# Altium PCB BMS.Pcb.PcbDoc (part 2 of 3) (continued)
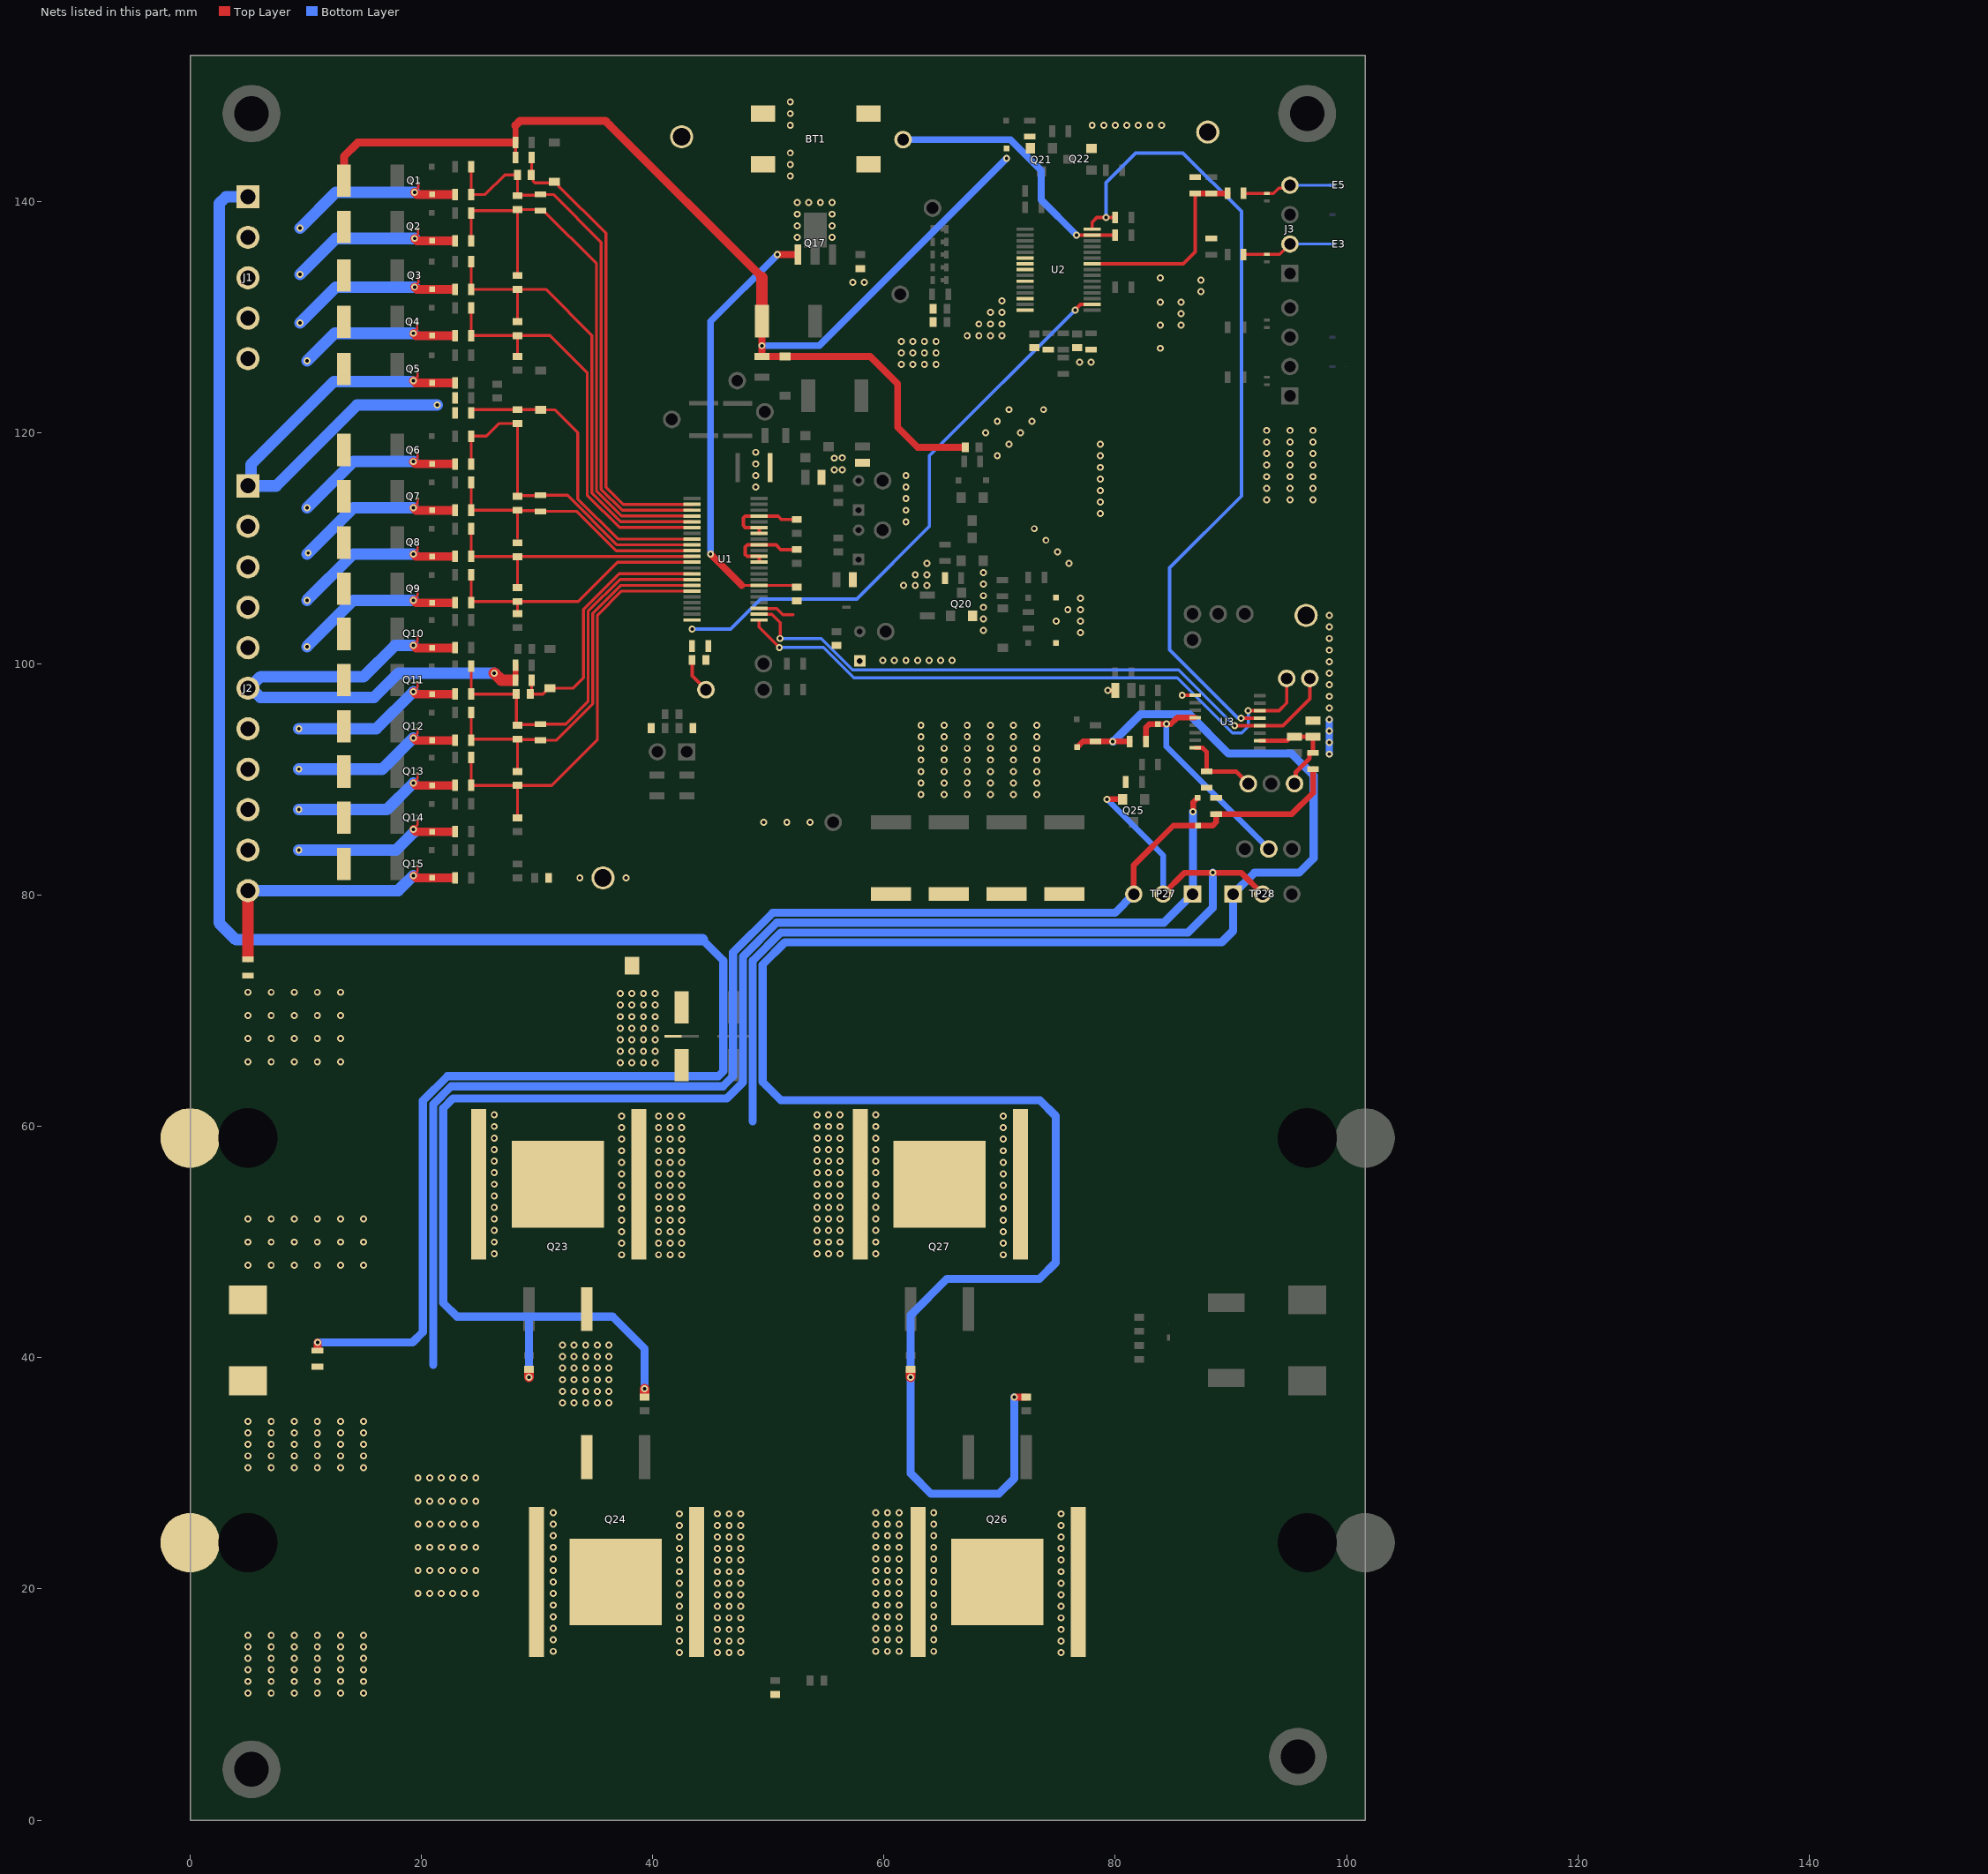
[diagram p2: the nets of this part, all layers, seen from the top]
## Part data (continued)
R95 R96 R97 R100: library part R_1.2K_%5_1W_2512, "Res Thick Film 2512 1.2K Ohm 5% 1W ±200ppm/°C Molded SMD SMD Blister T/R", Manufacturer=Vishay, Supplier Part Number=71-CRCW2512J-1.2K-E3, Voltage Rating (DC)=500V, Category="Chip SMD Resistors", ComponentLink1Description=https://datasheet.ciiva.com/16435/dcrcwe3-16435709.pdf?src-supplier=Future+Electronics, ComponentLink1URL=https://datasheet.ciiva.com/16435/dcrcwe3-16435709.pdf?src-supplier=Future+Electronics, ComponentLink2Description=https://datasheet.ciiva.com/2478/dcrcwe3-2478879.pdf?src-supplier=Digikey, ComponentLink2URL=https://datasheet.ciiva.com/2478/dcrcwe3-2478879.pdf?src-supplier=Digikey, ComponentLink3Description=https://datasheet.ciiva.com/2478/dcrcwe3-2478880.pdf?src-supplier=Digikey, ComponentLink3URL=https://datasheet.ciiva.com/2478/dcrcwe3-2478880.pdf?src-supplier=Digikey, ComponentLink4Description=https://datasheet.ciiva.com/2478/dcrcwe3-2478881.pdf?src-supplier=Digikey, ComponentLink4URL=https://datasheet.ciiva.com/2478/dcrcwe3-2478881.pdf?src-supplier=Digikey, ComponentLink5Description=https://datasheet.ciiva.com/9105/dcrcwe3-9105484.pdf?src-supplier=Avnet, ComponentLink5URL=https://datasheet.ciiva.com/9105/dcrcwe3-9105484.pdf?src-supplier=Avnet, ComponentLink6Description=https://datasheet.ciiva.com/7777/1533075-7777606.pdf?src-supplier=Element14, ComponentLink6URL=https://datasheet.ciiva.com/7777/1533075-7777606.pdf?src-supplier=Element14, ComponentLink7Description=https://datasheet.ciiva.com/5541/dcrcwe3-109170-5541887.pdf?src-supplier=Mouser, ComponentLink7URL=https://datasheet.ciiva.com/5541/dcrcwe3-109170-5541887.pdf?src-supplier=Mouser, Lead Free=5697LeadFree, Manufacturer Part Number=CRCW25121K20JNEG, Pricing="1=0,32, 10=0,116, 50=0,116, 100=0,074, 1000=0,049, 10000=0,037 (USD)", RoHS=Yes, Stock=9658, Supplier=Mouser
R98 R99: library part R_0.001OHM_%1_1.5W_2010, "Res Metal Foil 2010 0.001 Ohm 1% 1.5W ±50ppm/°C Molded SMD SMD Plastic T/R", Manufacturer="Stackpole Electronics", Supplier Part Number=708-CSNL2010FT1L00, Category="Chip SMD Resistors", ComponentLink1Description=https://www.seielect.com/catalog/sei-csnl.pdf?src-supplier=Digikey, ComponentLink1URL=https://www.seielect.com/catalog/sei-csnl.pdf?src-supplier=Digikey, ComponentLink2Description=https://www.seielect.com/catalog/SEI-Packaging.pdf?src-supplier=Digikey, ComponentLink2URL=https://www.seielect.com/catalog/SEI-Packaging.pdf?src-supplier=Digikey, ComponentLink3Description=https://www.seielect.com/Catalog/SEI-CSNL.pdf?src-supplier=Avnet, ComponentLink3URL=https://www.seielect.com/Catalog/SEI-CSNL.pdf?src-supplier=Avnet, Manufacturer Part Number=CSNL2010FT1L00, Pricing="1=0,56, 10=0,382, 50=0,382, 100=0,316, 1000=0,193, 10000=0,177 (USD)", RoHS=Yes, Stock=25876, Supplier=Mouser
R102 R103 R104: library part R_620OHM_%5_1/10W_0603, "SMD Chip Resistor, 620 Ohm, ± 5%, 100 mW, 0603 [1608 Metric], Thick Film, General Purpose", Manufacturer="Vishay Dale", Supplier Part Number=71-CRCW0603J-620-E3, Category="Chip SMD Resistors", ComponentLink1Description=https://datasheet.ciiva.com/3257/dcrcwe3-3257798.pdf?src-supplier=Avnet, ComponentLink1URL=https://datasheet.ciiva.com/3257/dcrcwe3-3257798.pdf?src-supplier=Avnet, ComponentLink2Description=https://datasheet.ciiva.com/3257/dcrcwe3-3257799.pdf?src-supplier=Avnet, ComponentLink2URL=https://datasheet.ciiva.com/3257/dcrcwe3-3257799.pdf?src-supplier=Avnet, ComponentLink3Description=https://datasheet.ciiva.com/16202/dcrcwe3-16202431.pdf?src-supplier=Future+Electronics, ComponentLink3URL=https://datasheet.ciiva.com/16202/dcrcwe3-16202431.pdf?src-supplier=Future+Electronics, ComponentLink4Description=https://datasheet.ciiva.com/2512/dcrcwe3-2512009.pdf?src-supplier=Digikey, ComponentLink4URL=https://datasheet.ciiva.com/2512/dcrcwe3-2512009.pdf?src-supplier=Digikey, ComponentLink5Description=https://datasheet.ciiva.com/2512/dcrcwe3-2512010.pdf?src-supplier=Digikey, ComponentLink5URL=https://datasheet.ciiva.com/2512/dcrcwe3-2512010.pdf?src-supplier=Digikey, ComponentLink6Description=https://datasheet.ciiva.com/2512/dcrcwe3-2512011.pdf?src-supplier=Digikey, ComponentLink6URL=https://datasheet.ciiva.com/2512/dcrcwe3-2512011.pdf?src-supplier=Digikey, Manufacturer Part Number=CRCW0603620RJNEA, Pricing="1=0,1, 10=0,016, 50=0,016, 100=0,009, 1000=0,007, 10000=0,005 (USD)", RoHS=Yes, Stock=82648, Supplier=Mouser
RT1 RT2 RT3: library part NTC_TERMISTOR_10K_%1, "Thermistor NTC 10KOhm 1% 2-Pin", Case/Package=72Case, Manufacturer=Semitec, Max Operating Temperature=110°C, Min Operating Temperature=-50°C, Supplier Part Number=954-103AT-2, Tolerance=1%, Category=Thermistors, ComponentLink1Description=https://datasheet.ciiva.com/4505/semitec-atthermistor-371460-4505142.pdf?src-supplier=Mouser, ComponentLink1URL=https://datasheet.ciiva.com/4505/semitec-atthermistor-371460-4505142.pdf?src-supplier=Mouser, Height=2.4mm, Lead Pitch=2.54mm, Length=17mm, Manufacturer Part Number=103AT-2, Packaging=Bulk, Pins=2, Pricing="1=0,84, 10=0,64, 50=0,64, 100=0,453, 1000=0,344, 10000=0,282 (USD)", RoHS=Yes, RoHS Compliant=Yes, Series=AT, Stock=31131, Supplier=Mouser, Termination=Radial, Width=3.7mm
TP1: library part TP_CONN_2POS_2.54MM, "Conn Unshrouded Header HDR 2 POS 2.54mm Solder ST Top Entry Thru-Hole", Current Rating=3A, Housing Color=46Colour, Manufacturer=Sullins, Max Operating Temperature=125°C, Min Operating Temperature=-65°C, Supplier Part Number=7889157, Category="Headers and Wire Housings", ComponentLink1Description=https://datasheet.ciiva.com/16213/pec02saan-16213358.pdf?src-supplier=Future+Electronics, ComponentLink1URL=https://datasheet.ciiva.com/16213/pec02saan-16213358.pdf?src-supplier=Future+Electronics, Contact Material=150,153,154ConductorMaterial, Gender=29Gender, Height=2.54mm, Housing Material=4239ConductorMaterial, Lead Free=5697LeadFree, Length=5.08mm, Manufacturer Part Number=PEC02SAAN, Number of Contacts=2NUMBER, Pricing="1=0,103, 400=0,0989, 1250=0,0947, 4000=0,0906, 12500=0,0829 (USD)", RoHS=Yes, Stock=4156, Supplier="Future Electronics", Width=2.54mm
TP2 TP3 TP8 TP9 TP10 TP11 TP12 TP13 TP14 TP15 TP16 TP17 TP18 TP19 TP20 TP21 TP22 TP23 TP24 TP25 TP26 TP29 TP30 TP31 TP32: library part TP_PC_TEST_POİNT, "TEST POINT, PCB, THROUGH HOLE; Product R; Range: -; Connector Colour: Black; Mounting: Through Hole", Manufacturer="Keystone Electronics", Supplier Part Number=5322706, Category=Connectors, ComponentLink1Description=https://datasheet.ciiva.com/11744/0900766b8009b7c7-11744935.pdf?src-supplier=Rs, ComponentLink1URL=https://datasheet.ciiva.com/11744/0900766b8009b7c7-11744935.pdf?src-supplier=Rs, ComponentLink2Description=https://datasheet.ciiva.com/1454/1718230-1454834.pdf?src-supplier=Element14, ComponentLink2URL=https://datasheet.ciiva.com/1454/1718230-1454834.pdf?src-supplier=Element14, ComponentLink3Description=https://datasheet.ciiva.com/46412/1703983-46412138.pdf?src-supplier=Element14, ComponentLink3URL=https://datasheet.ciiva.com/46412/1703983-46412138.pdf?src-supplier=Element14, ComponentLink4Description=https://datasheet.ciiva.com/16351/m60-2p60-16351093.pdf?src-supplier=Future+Electronics, ComponentLink4URL=https://datasheet.ciiva.com/16351/m60-2p60-16351093.pdf?src-supplier=Future+Electronics, ComponentLink5Description=https://datasheet.ciiva.com/2917/5011-2917635.pdf?src-supplier=Digikey, ComponentLink5URL=https://datasheet.ciiva.com/2917/5011-2917635.pdf?src-supplier=Digikey, Gender=30Gender, Lead Free=5697LeadFree, Length=11.3mm, Manufacturer Part Number=5011, Pricing="1=0,169, 200=0,164, 500=0,159, 1250=0,154, 3000=0,144 (USD)", RoHS=Yes, Stock=212621, Supplier="Future Electronics", Inside Diameter=1.78mm
TP4 TP5 TP6 TP7: library part TP_GND
TP27 TP28: library part TP_CONN_3POS_2.54MM, "PEC Series Single Row 3 Position 2.54 mm Straight Breakaway Header", Manufacturer=Sullins, Supplier Part Number=S1012E-03-ND, Category=Connectors, ComponentLink1Description=http://www.sullinscorp.com/catalogs/97_Page78-79_HEADER_.100_2.54mm_MALE_BREAKAWAY.pdf?src-supplier=Future+Electronics, ComponentLink1URL=http://www.sullinscorp.com/catalogs/97_Page78-79_HEADER_.100_2.54mm_MALE_BREAKAWAY.pdf?src-supplier=Future+Electronics, ComponentLink2Description=https://s3.amazonaws.com/catalogspreads-pdf/PAGE112-113%20.100%20MALE%20HDR.pdf?src-supplier=Digikey, ComponentLink2URL=https://s3.amazonaws.com/catalogspreads-pdf/PAGE112-113%20.100%20MALE%20HDR.pdf?src-supplier=Digikey, ComponentLink3Description=https://datasheet.octopart.com/PEC03SAAN-Sullins-datasheet-41399297.pdf?src-supplier=Future+Electronics, ComponentLink3URL=https://datasheet.octopart.com/PEC03SAAN-Sullins-datasheet-41399297.pdf?src-supplier=Future+Electronics, Manufacturer Part Number=PEC03SAAN, Pricing="1=0,18, 10=0,155, 100=0,1193, 500=0,10092, 1000=0,08257, 5000=0,0734, 10000=0,06652 (USD)", RoHS=Yes, Stock=17576, Supplier=Digikey
U1: library part AFE_IC_44TSSOP, "9 to 15-series cell li-ion and li-phosphate battery monitor (bq76940 family) 44-TSSOP -40 to 85", Manufacturer="Texas Instruments", Supplier Part Number=296-BQ7694000DBTRCT-ND, Category="Battery Management", ComponentLink1Description=http://www.ti.com/lit/gpn/bq76940?src-supplier=Mouser, ComponentLink1URL=http://www.ti.com/lit/gpn/bq76940?src-supplier=Mouser, ComponentLink2Description=http://www.ti.com/general/docs/suppproductinfo.tsp?distId=10&amp;gotoUrl=http%3A%2F%2Fwww.ti.com%2Flit%2Fgpn%2Fbq76920&src-supplier=Digikey, ComponentLink2URL=http://www.ti.com/general/docs/suppproductinfo.tsp?distId=10&amp;gotoUrl=http%3A%2F%2Fwww.ti.com%2Flit%2Fgpn%2Fbq76920&src-supplier=Digikey, ComponentLink3Description=http://www.ti.com/general/docs/lit/getliterature.tsp?genericPartNumber=BQ76920&&fileType=pdf&src-supplier=Avnet, ComponentLink3URL=http://www.ti.com/general/docs/lit/getliterature.tsp?genericPartNumber=BQ76920&&fileType=pdf&src-supplier=Avnet, Manufacturer Part Number=BQ7694000DBTR, Pricing="1=5,92, 10=5,317, 25=5,0268, 100=4,3565, 250=4,13312, 500=3,70864, 1000=3,12777 (USD)", RoHS=Yes, Stock=2000, Supplier=Digikey
U2: library part GUAGE_IC_30TSSOP, "Battery Management Controller/Fuel Gauge Li-Ion/Li-Pol/LiFePO4 5.5V 30-Pin TSSOP T/R", Case/Package=TFSOP, Manufacturer="Texas Instruments", Max Operating Temperature=85°C, Max Supply Voltage=2.6V, Min Operating Temperature=-40°C, Min Supply Voltage=2.4V, Nominal Supply Current=650uA, Output Voltage=5.5V, Supplier Part Number=296-44315-1-ND, Category="Battery Management", ComponentLink1Description=http://www.ti.com/lit/pdf/sluubd3?src-supplier=Digikey, ComponentLink1URL=http://www.ti.com/lit/pdf/sluubd3?src-supplier=Digikey, ComponentLink2Description=http://www.ti.com/general/docs/suppproductinfo.tsp?distId=10&amp;gotoUrl=http%3A%2F%2Fwww.ti.com%2Flit%2Fgpn%2Fbq78350-r1&src-supplier=Digikey, ComponentLink2URL=http://www.ti.com/general/docs/suppproductinfo.tsp?distId=10&amp;gotoUrl=http%3A%2F%2Fwww.ti.com%2Flit%2Fgpn%2Fbq78350-r1&src-supplier=Digikey, ComponentLink3Description=http://www.ti.com/lit/gpn/bq78350-r1?src-supplier=Mouser, ComponentLink3URL=http://www.ti.com/lit/gpn/bq78350-r1?src-supplier=Mouser, ComponentLink4Description=http://www.ti.com/general/docs/lit/getliterature.tsp?genericPartNumber=BQ78350-R1&&fileType=pdf&src-supplier=Avnet, ComponentLink4URL=http://www.ti.com/general/docs/lit/getliterature.tsp?genericPartNumber=BQ78350-R1&&fileType=pdf&src-supplier=Avnet, Contact Plating=Gold, Fault Protection="Over Current,Over Temperature,Over/Under Voltage", Height=1.2mm, Lead Free="Lead Free", Length=7.8mm, Manufacturer Part Number=BQ78350DBTR-R1, Mounting Technology="Surface Mount", Operating Supply Voltage=2.6V, Packaging="Cut Tape", Pins=30, Pricing="1=6,12, 10=5,5, 25=5,1996, 100=4,5062, 250=4,27512, 500=3,83606, 1000=3,23523 (USD)", RoHS=Yes, RoHS Compliant=Yes, Series=-, Stock=3289, Supplier=Digikey, Thickness=1mm, Width=4.4mm, Interface=SMBus
U3: library part FET_DRİVER_16TSTOP, "HIGH-SIDEN-CHFETDRVR16TSSOP", Manufacturer="Texas Instruments", Supplier Part Number=296-43273-1-ND, Category="Battery Management", ComponentLink1Description=http://www.ti.com/lit/gpn/bq76200?src-supplier=Mouser, ComponentLink1URL=http://www.ti.com/lit/gpn/bq76200?src-supplier=Mouser, ComponentLink2Description=http://www.ti.com/lit/ds/symlink/bq76200.pdf?src-supplier=Digikey, ComponentLink2URL=http://www.ti.com/lit/ds/symlink/bq76200.pdf?src-supplier=Digikey, Manufacturer Part Number=BQ76200PWR, Pricing="1=2,71, 10=2,438, 25=2,3004, 100=1,9598, 250=1,84024, 500=1,6102, 1000=1,33416 (USD)", RoHS=Yes, Stock=3882, Supplier=Digikey

## Via types
v1: diameter 0.6, hole 0.3, Top Layer to Bottom Layer, 917 vias

## Nets (pads, with @x,y where several pads share a name; then routed paths per layer and width w, separated by ;. In a path a pad name is that pad's centre, name@x,y a point inside that pad or via, vN(x,y) a via of type N, cw(c..) or ccw(c..) an arc to the next point about the centre after c; other vN are vias at no path point)
/KEY: D27.2 E5.1 J3.4 R71.1 | length 8
  Top Layer w0.254: R71.1@91.1,140.7 93.684,140.7 94.146,141.162 94.862,141.162 J3.4@95.1,141.4
  Bottom Layer w0.254: J3.4@95.1,141.4 E5.1@98.776,141.4
/KEYIN: R71.2 R78.1 R79.2 U2.9 | length 17.2
  Top Layer w0.3: U2.9@78,134.6 85.875,134.6 86.9,135.625 R79.2@86.9,140.7
  Top Layer w0.5: R79.2@86.9,140.7 R78.1@88.306,140.7 R71.2@89.7,140.7
/SYSPRES: D26.2 E3.1 J3.2 R72.1 | length 8.1
  Top Layer w0.254: R72.1@91.1,135.4 91.125,135.425 D26.2@93.1,135.425 94.205,135.425 J3.2@95.1,136.32
  Bottom Layer w0.254: J3.2@95.1,136.32 E3.1@98.776,136.32
ALERT: C21.2 R55.2 TP9.1 U1.44 U2.2 | length 52.9
  Top Layer w0.3: C21.2@43.4,100.35 43.4,98.978 TP9.1@44.6,97.778 ; v1(76.525,130.6) 76.525,130.65 76.975,131.1 U2.2@78,131.1
  Bottom Layer w0.3: v1(43.4,103.025) 46.722,103.025 49.32,105.623 57.651,105.623 63.925,111.897 63.925,118 v1(76.525,130.6)
BAT: C41.2 C42.1 R93.2 TP24.1 U3.2 | length 9.6
  Top Layer w0.381: U3.2@92.5,93.35 94.85,93.35 95.2,93.7 C42.1@95.5,93.7 C41.2@97.1,93.7 R93.2@97.1,92.3 96.85,92.3 96.791,92.24 96.791,91.822 95.621,90.653 95.621,89.771 TP24.1@95.5,89.65
BATT+: C43.2 D29.1 D30.2 J6.1 Q23.3 Q24.3 R92.1 R93.1 R94.1 R95.2 R96.2 R97.2 R100.2 TP27.3 | length 119.9
  Top Layer w0.5: TP27.3@81.6,80.1 81.6,82.6 85.025,86.025 D30.2@87.15,86.025 88.432,86.025 88.725,86.318 R94.1@88.725,87.025 95.275,87.025 97.1,88.85 R93.1@97.1,90.9
  Bottom Layer w0.7: 21.025,39.4 21.025,61.923 22.577,63.475 46.075,63.475 46.95,64.35 46.95,75.05 50.375,78.475 79.975,78.475 TP27.3@81.6,80.1
  other v1: 5,11 7,11 9,11 11,11 13,11 15,11 5,12 7,12 9,12 11,12 13,12 15,12 5,13 7,13 9,13 11,13 13,13 15,13 5,14 7,14 9,14 11,14 13,14 15,14 5,15 7,15 9,15 11,15 13,15 15,15 5,16 7,16 9,16 11,16 13,16 15,16 19.7,19.6 20.7,19.6 21.7,19.6 22.7,19.6 23.7,19.6 24.7,19.6 19.7,21.6 20.7,21.6 21.7,21.6 22.7,21.6 23.7,21.6 24.7,21.6 19.7,23.6 20.7,23.6 21.7,23.6 22.7,23.6 23.7,23.6 24.7,23.6 19.7,25.6 20.7,25.6 21.7,25.6 22.7,25.6 23.7,25.6 24.7,25.6 19.7,27.6 20.7,27.6 21.7,27.6 22.7,27.6 23.7,27.6 24.7,27.6 19.7,29.6 20.7,29.6 21.7,29.6 22.7,29.6 23.7,29.6 24.7,29.6 5,30.5 7,30.5 9,30.5 11,30.5 13,30.5 15,30.5 5,31.5 7,31.5 9,31.5 11,31.5 13,31.5 15,31.5 5,32.5 7,32.5 9,32.5 11,32.5 13,32.5 15,32.5 5,33.5 7,33.5 9,33.5 11,33.5 13,33.5 15,33.5 5,34.5 7,34.5 9,34.5 11,34.5 13,34.5 15,34.5 32.2,36.1 33.2,36.1 34.2,36.1 35.2,36.1 36.2,36.1 32.2,37.1 33.2,37.1 34.2,37.1 35.2,37.1 36.2,37.1 32.2,38.1 33.2,38.1 34.2,38.1 35.2,38.1 36.2,38.1 32.2,39.1 33.2,39.1 34.2,39.1 35.2,39.1 36.2,39.1 32.2,40.1 33.2,40.1 34.2,40.1 35.2,40.1 36.2,40.1 32.2,41.1 33.2,41.1 34.2,41.1 35.2,41.1 36.2,41.1
BATT-: D29.2 J5.1 NT2.2 NT3.1 R91.1 R98.1 R99.1
  other v1: 5,48 7,48 9,48 11,48 13,48 15,48 5,50 7,50 9,50 11,50 13,50 15,50 5,52 7,52 9,52 11,52 13,52 15,52 37.2,65.5 38.2,65.5 39.2,65.5 40.2,65.5 5,65.6 7,65.6 9,65.6 11,65.6 13,65.6 37.2,66.5 38.2,66.5 39.2,66.5 40.2,66.5 37.2,67.5 38.2,67.5 39.2,67.5 40.2,67.5 5,67.6 7,67.6 9,67.6 11,67.6 13,67.6 37.2,68.5 38.2,68.5 39.2,68.5 40.2,68.5 37.2,69.5 38.2,69.5 39.2,69.5 40.2,69.5 5,69.6 7,69.6 9,69.6 11,69.6 13,69.6 37.2,70.5 38.2,70.5 39.2,70.5 40.2,70.5 37.2,71.5 38.2,71.5 39.2,71.5 40.2,71.5 5,71.6 7,71.6 9,71.6 11,71.6 13,71.6
C0: D14.2 J2.11 Q15.2 R51.1 R91.2 | length 24.8
  Top Layer w0.2: v1@19.3,81.738 19.65,82.088 Q15.2@19.65,82.513
  Top Layer w0.75: v1@19.325,81.688 19.525,81.488 22.625,81.488
  Top Layer w1: 5,74.716 J2.11@5,80.4
  Bottom Layer w1: J2.11@5,80.4 18,80.4 v1(19.3,81.7)
C1: D13.2 J2.10 Q14.2 R6.1 R49.1 | length 15.3
  Top Layer w0.2: v1@19.3,85.738 19.65,86.088 Q14.2@19.65,86.513
  Top Layer w0.254: 19.3,85.4 19.456,85.556 19.651,85.751
  Top Layer w0.75: v1@19.325,85.688 19.456,85.556 19.525,85.488 22.625,85.488
  Bottom Layer w1: v1(9.4,83.9) 17.8,83.9 19.3,85.4
  other v1: 19.3,85.7
C2: D12.2 J2.9 Q13.2 R5.1 R47.1 | length 15.2
  Top Layer w0.2: v1@19.3,89.738 19.65,90.088 Q13.2@19.65,90.513
  Top Layer w0.75: v1@19.325,89.688 19.525,89.488 22.625,89.488
  Bottom Layer w1: v1(9.4,87.4) 17,87.4 v1(19.3,89.7)
C3: D11.2 J2.8 Q12.2 R4.1 R45.1 | length 15.4
  Top Layer w0.2: v1(19.3,93.6) v1@19.3,93.65 ; v1@19.3,93.638 19.65,93.988 Q12.2@19.65,94.413
  Top Layer w0.75: v1@19.325,93.588 19.525,93.388 22.625,93.388
  Bottom Layer w1: v1(9.4,90.9) 16.6,90.9 v1(19.3,93.6)
C4: D10.2 J2.7 Q11.2 R1.1 R43.1 | length 15.6
  Top Layer w0.2: v1(19.3,97.6) v1@19.3,97.708 ; v1@19.3,97.638 19.65,97.988 Q11.2@19.65,98.413
  Top Layer w0.75: v1@19.325,97.588 19.525,97.388 22.625,97.388
  Bottom Layer w1: v1(9.4,94.4) 16.1,94.4 v1(19.3,97.6)
C5: D1.2 J2.6 Q10.2 R3.1 R39.1 R40.1 R41.1 | length 45.7
  Top Layer w0.2: v1(19.3,101.6) v1@19.3,101.638 ; v1@19.3,101.65 v1@19.3,101.638 ; Q10.2@19.65,102.413 19.65,101.988 v1@19.3,101.638
  Top Layer w0.5: R41.1@28.125,98.6 R40.1@28.125,99.9
  Top Layer w0.75: v1@19.325,101.588 19.525,101.388 22.625,101.388
  Top Layer w1: v1(26.3,99.2) 26.9,98.6 27.85,98.6
  Bottom Layer w1: J2.6@5,97.9 J2.6@5.086,97.9 ; v1(19.3,101.6) 17.7,101.6 15,98.9 6.086,98.9 J2.6@5.086,97.9 ; v1(26.3,99.2) 18,99.2 15.9,97.1 6.071,97.1 5.271,97.9 J2.6@5.086,97.9
C6: D9.2 J2.5 Q9.2 R2.1 R37.1 | length 15.2
  Top Layer w0.2: v1@19.3,105.537 19.65,105.887 Q9.2@19.65,106.312
  Top Layer w0.75: v1@19.325,105.487 19.525,105.287 22.644,105.287
  Bottom Layer w1: v1(10.1,101.5) 14.1,105.5 v1(19.3,105.5)
C7: D8.2 J2.4 Q8.2 R15.1 R35.1 | length 15.2
  Top Layer w0.2: v1@19.3,109.537 19.65,109.887 Q8.2@19.65,110.312
  Top Layer w0.75: v1@19.325,109.487 19.525,109.287 22.625,109.287
  Bottom Layer w1: v1(10.1,105.5) 14.1,109.5 v1(19.3,109.5)
C8: D7.2 J2.3 Q7.2 R14.1 R33.1 | length 15.2
  Top Layer w0.2: v1@19.3,113.537 19.65,113.887 Q7.2@19.65,114.312
  Top Layer w0.75: v1@19.325,113.487 19.525,113.287 22.625,113.287
  Bottom Layer w1: v1@10.1,109.5 v1(10.2,109.6) 14.1,113.5 v1(19.3,113.5)
C9: D6.2 J2.2 Q6.2 R13.1 R31.1 | length 15.2
  Top Layer w0.2: v1@19.312,117.488 19.65,117.825 Q6.2@19.65,118.325
  Top Layer w0.75: v1@19.312,117.488 19.5,117.3 22.625,117.3
  Bottom Layer w1: v1(10.1,113.5) 14.1,117.5 v1(19.3,117.5)
C10: D15.2 J2.1 Q5.2 R12.1 R27.1 R28.1 R29.1 | length 42.5
  Top Layer w0.2: v1@19.375,124.555 19.65,124.83 Q5.2@19.65,125.33
  Top Layer w0.75: v1(19.3,124.5) 19.495,124.305 D15.2@20.925,124.305 22.625,124.305
  Bottom Layer w1: v1@19.232,124.435 12.435,124.435 5.261,117.261 5.261,115.661 J2.1@5,115.4 7.439,115.4 14.439,122.4 v1(21.355,122.4)
C11: D5.2 J1.5 Q4.2 R11.1 R25.1 | length 14.5
  Top Layer w0.2: v1@19.3,128.632 19.625,128.958 Q4.2@19.625,129.42
  Top Layer w0.75: v1@19.325,128.582 19.525,128.382 22.625,128.382
  Bottom Layer w1: v1(10.1,126.2) 12.5,128.6 v1(19.3,128.6)
C12: D4.2 J1.4 Q3.2 R10.1 R23.1 | length 15.5
  Top Layer w0.2: v1@19.4,132.65 19.75,133 Q3.2@19.75,133.425
  Top Layer w0.75: v1(19.4,132.6) 19.6,132.4 D4.2@20.925,132.4 R23.1@22.67,132.4
  Bottom Layer w1: v1(9.5,129.5) 12.6,132.6 v1(19.4,132.6)
C13: D3.2 J1.3 Q2.2 R9.1 R21.1 | length 15.4
  Top Layer w0.2: v1@19.375,136.85 19.7,137.175 Q2.2@19.7,137.65
  Top Layer w0.75: v1(19.4,136.8) 19.6,136.6 D3.2@20.925,136.6 22.625,136.6
  Bottom Layer w1: v1(9.5,133.7) 12.6,136.8 v1(19.4,136.8)
C14: D2.2 J1.2 Q1.2 R8.1 R19.1 | length 15.4
  Top Layer w0.2: v1@19.375,140.85 19.725,141.2 Q1.2@19.725,141.625
  Top Layer w0.75: v1(19.4,140.8) 19.6,140.6 D2.2@20.925,140.6 22.625,140.6
  Bottom Layer w1: v1(9.5,137.7) 12.6,140.8 v1(19.4,140.8)
C15: C36.1 D19.2 D28.1 J1.1 Q21.2 R7.1 R16.1 R17.1 R61.2 R63.2 R80.2 R92.2 | length 281.3
  Top Layer w0.254: R17.1@28.125,143.8 R16.1@28.125,145.1
  Top Layer w0.5: R16.1@28.125,145.1 28.125,146.565
  Top Layer w0.6: R63.2@49.45,129.65 v1(49.45,127.525) R61.2@49.45,126.6 49.976,126.6 D19.2@51.45,126.6 58.8,126.6 61.175,124.225 61.175,120.475 62.925,118.725 C36.1@67.025,118.725
  Top Layer w0.7: R92.2@11.025,40.725 v1(11.025,41.325) ; R7.1@13.3,141.8 13.3,143.9 14.5,145.1 27.85,145.1 ; 28.125,146.565 28.535,146.975 35.9,146.975 36.274,146.601 49.45,133.425
  Top Layer w1: R63.2@49.45,129.65 49.45,133.425
  Bottom Layer w0.6: v1(49.45,127.525) 54.4,127.525 v1(70.6,143.725)
  Bottom Layer w0.7: v1(11.025,41.325) 19.225,41.325 20.125,42.225 20.125,62.225 22.25,64.35 45.673,64.35 46.1,64.777 46.1,74.35 44.3,76.15
  Bottom Layer w1: J1.1@5,140.4 3.086,140.4 2.5,139.814 2.5,77.6 3.95,76.15 44.3,76.15
CAP1: C28.2 Q17.1 U1.7 | length 38.7
  Top Layer w0.254: 47.7,106.8 U1.7@49.2,106.8 52.15,106.8 52.325,106.625 C28.2@52.45,106.625
  Top Layer w0.6: v1(45,109.5) 47.7,106.8 ; v1(50.775,135.4) Q17.1@52.55,135.4
  Bottom Layer w0.6: v1(45,109.5) 45,129.625 v1(50.775,135.4)
CAP2: C27.1 U1.11 U1.12 U1.14 | length 7.1
  Top Layer w0.3: U1.11@49.2,108.8 U1.12@49.2,109.3 48.176,109.3 48.001,109.476 48.001,110.124 48.176,110.3 50.662,110.3 51.062,109.9 C27.1@52.45,109.9
CAP3: C26.1 U1.16 U1.17 U1.19 | length 7.4
  Top Layer w0.3: U1.16@49.2,111.3 U1.17@49.2,111.8 48.001,111.8 47.825,111.976 47.825,112.624 48.001,112.8 50.837,112.8 51.137,112.5 C26.1@52.45,112.5
CD: H3.0 H4.0 H7.0 H10.0 Q23.2 Q24.2 Q25.2 Q26.2 Q27.2 R101.2 TP27.2 TP28.2 | length 80.3
  Top Layer w0.5: v1(79.275,88.3) Q25.2@80.65,88.3 ; TP27.2@84.14,80.1 85.99,81.95 v1(88.437,81.95) 90.885,81.95 TP28.2@92.735,80.1
  Bottom Layer w0.5: v1(79.275,88.3) 84.14,83.435 TP27.2@84.14,80.1
  Bottom Layer w0.7: 48.65,60.45 48.65,74.346 51.079,76.775 86.3,76.775 88.437,78.912 v1(88.437,81.95)
  other v1: 42.3,14.5 45.6,14.5 46.6,14.5 47.6,14.5 75.3,14.5 31.4,14.6 59.3,14.6 60.3,14.6 61.3,14.6 64.3,14.6 42.3,15.5 45.6,15.5 46.6,15.5 47.6,15.5 75.3,15.5 31.4,15.6 59.3,15.6 60.3,15.6 61.3,15.6 64.3,15.6 42.3,16.5 45.6,16.5 46.6,16.5 47.6,16.5 75.3,16.5 31.4,16.6 59.3,16.6 60.3,16.6 61.3,16.6 64.3,16.6 42.3,17.5 45.6,17.5 46.6,17.5 47.6,17.5 75.3,17.5 31.4,17.6 59.3,17.6 60.3,17.6 61.3,17.6 64.3,17.6 42.3,18.5 45.6,18.5 46.6,18.5 47.6,18.5 75.3,18.5 31.4,18.6 59.3,18.6 60.3,18.6 61.3,18.6 64.3,18.6 42.3,19.5 45.6,19.5 46.6,19.5 47.6,19.5 75.3,19.5 31.4,19.6 59.3,19.6 60.3,19.6 61.3,19.6 64.3,19.6 42.3,20.5 45.6,20.5 46.6,20.5 47.6,20.5 75.3,20.5 31.4,20.6 59.3,20.6 60.3,20.6 61.3,20.6 64.3,20.6 42.3,21.5 45.6,21.5 46.6,21.5 47.6,21.5 75.3,21.5 31.4,21.6 59.3,21.6 60.3,21.6 61.3,21.6 64.3,21.6 42.3,22.5 45.6,22.5 46.6,22.5 47.6,22.5 75.3,22.5 31.4,22.6 59.3,22.6 60.3,22.6 61.3,22.6 64.3,22.6 42.3,23.5 45.6,23.5 46.6,23.5 47.6,23.5 75.3,23.5 31.4,23.6 59.3,23.6 60.3,23.6 61.3,23.6 64.3,23.6 42.3,24.5 45.6,24.5 46.6,24.5 47.6,24.5 75.3,24.5 31.4,24.6 59.3,24.6 60.3,24.6 61.3,24.6 64.3,24.6 42.3,25.5 45.6,25.5 46.6,25.5 47.6,25.5 75.3,25.5 31.4,25.6 59.3,25.6 60.3,25.6 61.3,25.6 64.3,25.6 42.3,26.5 45.6,26.5 46.6,26.5 47.6,26.5 75.3,26.5 31.4,26.6 59.3,26.6 60.3,26.6 61.3,26.6 64.3,26.6 37.3,48.9 40.5,48.9 41.5,48.9 42.5,48.9 70.3,48.9 26.3,49 54.2,49 55.2,49 56.2,49 59.3,49 37.3,49.9 40.5,49.9 41.5,49.9 42.5,49.9 70.3,49.9 26.3,50 54.2,50 55.2,50 56.2,50 59.3,50 37.3,50.9 40.5,50.9 41.5,50.9 42.5,50.9 70.3,50.9 26.3,51 54.2,51 55.2,51 56.2,51 59.3,51 37.3,51.9 40.5,51.9 41.5,51.9 42.5,51.9 70.3,51.9 26.3,52 54.2,52 55.2,52 56.2,52 59.3,52 37.3,52.9 40.5,52.9 41.5,52.9 42.5,52.9 70.3,52.9 26.3,53 54.2,53 55.2,53 56.2,53 59.3,53 37.3,53.9 40.5,53.9 41.5,53.9 42.5,53.9 70.3,53.9 26.3,54 54.2,54 55.2,54 56.2,54 59.3,54 37.3,54.9 40.5,54.9 41.5,54.9 42.5,54.9 70.3,54.9 26.3,55 54.2,55 55.2,55 56.2,55 59.3,55 37.3,55.9 40.5,55.9 41.5,55.9 42.5,55.9 70.3,55.9 26.3,56 54.2,56 55.2,56 56.2,56 59.3,56 37.3,56.9 40.5,56.9 41.5,56.9 42.5,56.9 70.3,56.9 26.3,57 54.2,57 55.2,57 56.2,57 59.3,57 37.3,57.9 40.5,57.9 41.5,57.9 42.5,57.9 70.3,57.9 26.3,58 54.2,58 55.2,58 56.2,58 59.3,58 37.3,58.9 40.5,58.9 41.5,58.9 42.5,58.9 70.3,58.9 26.3,59 54.2,59 55.2,59 56.2,59 59.3,59 37.3,59.9 40.5,59.9 41.5,59.9 42.5,59.9 70.3,59.9 26.3,60 54.2,60 55.2,60 56.2,60 59.3,60 37.3,60.9 40.5,60.9 41.5,60.9 42.5,60.9 70.3,60.9 26.3,61 54.2,61 55.2,61 56.2,61 59.3,61
CGATE: D30.1 L1.1 L2.1 R94.2 R102.2 TP27.1 | length 132.9
  Top Layer w0.5: v1(86.725,87.225) 86.744,87.244 86.744,88.044 D30.1@87.125,88.425
  Top Layer w0.85: v1(29.3,38.3) L1.1@29.3,38.831 ; 39.3,36.925 v1(39.3,37.325)
  Bottom Layer w0.7: v1(29.3,38.3) 29.3,43.47 29.38,43.55 ; v1(39.3,37.325) 39.3,40.775 36.525,43.55 29.38,43.55 ; v1(86.725,87.225) 86.725,80.145 TP27.1@86.68,80.1 84.205,77.625 50.727,77.625 47.8,74.698 47.8,63.825 46.4,62.425 22.729,62.425 21.875,61.571 21.875,44.75 23.075,43.55 29.38,43.55
CHG: R102.1 TP18.1 U3.16 | length 6.9
  Top Layer w0.381: U3.16@86.9,92.75 87.55,92.75 87.9,92.4 R102.1@87.9,90.7 90.45,90.7 TP18.1@91.5,89.65
CHG_EN: TP29.1 U1.2 U3.4 | length 55.7
  Top Layer w0.254: U1.2@49.2,104.3 50.3,104.3 51.026,103.574 51.026,102.226 v1(51,102.2)
  Top Layer w0.3: v1(90.325,94.65) U3.4@92.5,94.65 94.5,94.65 96.825,96.975 TP29.1@96.825,99.255
  Bottom Layer w0.254: v1(51,102.2) 54.568,102.2 57.285,99.483 85.492,99.483 v1(90.325,94.65)
CP_EN: R87.1 U2.15 U3.5 | length 71.4
  Top Layer w0.3: U2.15@78,137.6 78,138.2 78.4,138.6 v1(79.2,138.6) R87.1@80,138.6 ; v1(90.875,95.3) U3.5@92.5,95.3
  Bottom Layer w0.3: v1(79.2,138.6) 79.2,141.625 81.775,144.2 85.85,144.2 90.9,139.15 90.9,114.521 84.7,108.321 84.7,101.225 90.568,95.357 90.818,95.357 v1(90.875,95.3)
DGATE: D32.1 L3.1 L4.1 R104.2 R107.1 TP28.1 | length 182.1
  Top Layer w0.5: D32.1@76.7,92.8 77.2,93.3 R107.1@78.3,93.3 v1(79.775,93.3) R104.2@81.25,93.3
  Top Layer w0.6: v1(71.275,36.6) L3.1@72.3,36.6
  Top Layer w0.85: v1(62.3,38.3) L4.1@62.3,38.819
  Bottom Layer w0.7: v1(71.275,36.6) 71.275,29.575 69.925,28.225 64.075,28.225 62.3,30 v1(62.3,38.3) 62.3,43.675 65.45,46.825 73.45,46.825 74.85,48.225 74.85,60.898 73.473,62.275 51.075,62.275 49.5,63.85 49.5,73.994 51.431,75.925 89.2,75.925 90.195,76.92 TP28.1@90.195,80.1 92.045,81.95 95.9,81.95 97.15,83.2 97.15,90.348 95.248,92.25 89.8,92.25 86.4,95.65 82.202,95.65 79.852,93.3 v1(79.775,93.3)
DSG: D31.1 R104.1 TP20.1 U3.12 | length 20.3
  Top Layer w0.5: R104.1@82.65,93.3 82.65,94.507 82.943,94.8 84.8,94.8 85.35,95.35 U3.12@86.9,95.35
  Bottom Layer w0.5: v1(84.425,94.8) 84.425,92.85 TP20.1@93.275,84
DSG_EN: TP31.1 U1.1 U3.6 | length 54
  Top Layer w0.254: U1.1@49.2,103.8 49.2,103.176 v1(50.95,101.425) v1(50.95,101.425)
  Top Layer w0.3: v1(91.5,95.95) U3.6@92.5,95.95 94.15,95.95 94.825,96.625 TP31.1@94.825,98.75
  Bottom Layer w0.254: v1(50.95,101.425) 54.772,101.425 57.397,98.8 85.35,98.8 90.125,94.025 90.925,94.025 91.5,94.6 v1(91.5,95.95)
GND: BT1.2 BT1.4 C16.1 C19.1 C21.1 C22.2 C25.1 C28.1 C29.1 C32.1 C33.1 C34.1 C35.1 C37.1 C38.1 C39.1 C40.1 C41.1 C45.1 D21.2 D22.2 NT2.1 Q20.2 Q22.2 R55.1 R69.1 R76.1 R79.1 R81.1 R84.1 RT3.1 TP4.1 TP5.1 TP6.1 TP7.1 U1.3 U2.21 U2.22 U2.23 U2.25 U2.28 U2.30 U3.9 | length 8
  Top Layer w0.254: U1.3@49.2,104.8 50.718,104.8 51.255,104.263 52.15,104.263
  Top Layer w0.318: v1@85.761,97.3 U3.9@86.9,97.3
  Top Layer w0.4: v1(79.35,97.7) C45.1@80,97.7
  Bottom Layer w0.6: v1(98.5,92.2) v1(98.5,93.2) v1(98.5,94.2) v1(98.5,95.2)
  other v1: 33.7,81.5 37.7,81.5 49.6,86.3 51.6,86.3 53.6,86.3 63.2,88.7 65.2,88.7 67.2,88.7 69.2,88.7 71.2,88.7 73.2,88.7 63.2,89.7 65.2,89.7 67.2,89.7 69.2,89.7 71.2,89.7 73.2,89.7 63.2,90.7 65.2,90.7 67.2,90.7 69.2,90.7 71.2,90.7 73.2,90.7 63.2,91.7 65.2,91.7 67.2,91.7 69.2,91.7 71.2,91.7 73.2,91.7 63.2,92.7 65.2,92.7 67.2,92.7 69.2,92.7 71.2,92.7 73.2,92.7 63.2,93.7 65.2,93.7 67.2,93.7 69.2,93.7 71.2,93.7 73.2,93.7 63.2,94.7 65.2,94.7 67.2,94.7 69.2,94.7 71.2,94.7 73.2,94.7 98.5,96.2 98.5,97.2 85.786,97.3 98.5,98.2 98.5,99.2 98.5,100.2 59.9,100.3 60.9,100.3 61.9,100.3 62.9,100.3 63.9,100.3 64.9,100.3 65.9,100.3 98.5,101.2 98.5,102.2 77,102.7 68.6,102.9 98.5,103.2 74.9,103.7 77,103.7 68.6,103.9 98.5,104.2 75.9,104.7 77,104.7 68.6,104.9 77,105.7 68.6,105.9 61.7,106.8 62.7,106.8 63.7,106.8 68.6,106.9 62.7,107.7 63.7,107.7 68.6,107.9 63.7,108.7 76,108.7 75,109.7 74,110.7 73,111.7 61.9,112.3 78.7,113 61.9,113.3 78.7,114 93.1,114.2 95.1,114.2 97.1,114.2 61.9,114.3 78.7,115 93.1,115.2 95.1,115.2 97.1,115.2 48.9,115.3 61.9,115.3 78.7,116 93.1,116.2 95.1,116.2 97.1,116.2 48.9,116.3 61.9,116.3 55.7,116.8 56.4,116.8 78.7,117 93.1,117.2 95.1,117.2 97.1,117.2 48.9,117.3 55.7,117.8 56.4,117.835 69.8,118 78.7,118 93.1,118.2 95.1,118.2 97.1,118.2 48.9,118.3 70.8,119 78.7,119 93.1,119.2 95.1,119.2 97.1,119.2 68.8,120 71.8,120 93.1,120.2 95.1,120.2 97.1,120.2 69.8,121 72.8,121 70.8,122 73.8,122 61.5,125.9 62.5,125.9 63.5,125.9 64.5,125.9 76.9,126.1 77.9,126.1 61.5,126.9 62.5,126.9 63.5,126.9 64.5,126.9 83.9,127.3 61.5,127.9 62.5,127.9 63.5,127.9 64.5,127.9 67.2,128.4 68.2,128.4 69.2,128.4 70.2,128.4 83.9,129.3 85.7,129.3 68.2,129.4 69.2,129.4 70.2,129.4 85.7,130.3 69.2,130.4 70.2,130.4 83.9,131.3 85.7,131.3 70.2,131.4 87.4,132.2 57.3,133 58.3,133 87.4,133.2 83.9,133.4 52.5,136.9 55.5,136.9 52.5,137.9 55.5,137.9 52.5,138.9 55.5,138.9 52.5,139.9 53.5,139.9 54.5,139.9 55.5,139.9 51.9,142.2 51.9,143.2 51.9,144.2 51.9,146.6 78,146.6 79,146.6 80,146.6 81,146.6 82,146.6 83,146.6 84,146.6 51.9,147.6 51.9,148.6
NetBT1_1: BT1.1 BT1.3 R90.1 TP17.1 U2.14 | length 23.3
  Top Layer w0.3: v1(76.634,137.1) U2.14@78,137.1 R90.1@80,137.1
  Bottom Layer w0.6: TP17.1@61.65,145.35 70.925,145.35 73.6,142.675 73.6,140.134 v1(76.634,137.1)
NetC1_1: C1.1 C2.2 R18.2 R19.2 R52.2 U1.25 | length 47.9
  Top Layer w0.254: R18.2@24.3,143 R19.2@24.3,140.6 25.5,140.6 27.2,142.3 C1.1@28.3,142.3 C2.2@28.3,140.5 28.35,140.55 30.25,140.55 R52.2@30.3,140.6 31.4,140.6 35.546,136.454 35.546,115.108 37.354,113.3 U1.25@43.4,113.3
NetC1_2: C1.2 D16.2 R17.2 U1.24 | length 40.4
  Top Layer w0.254: R17.2@29.525,143.8 29.525,142.325 C1.2@29.5,142.3 29.673,142.127 29.673,141.749 29.822,141.6 D16.2@31.5,141.6 ; D16.2@31.5,141.7 31.625,141.7 31.848,141.477 31.848,141.352 35.95,137.25 35.95,115.275 37.425,113.8 U1.24@43.4,113.8
NetC2_1: C2.1 C3.2 R20.2 R21.2 R52.1 U1.26 | length 49.7
  Top Layer w0.254: R21.2@24.3,136.6 24.3,139.077 24.423,139.2 C2.1@28.2,139.2 ; C3.2@28.3,133.6 C2.1@28.3,139.3 30.2,139.3 R52.1@30.3,139.2 30.55,139.2 35.142,134.608 35.142,114.94 37.282,112.8 U1.26@43.4,112.8
NetC3_1: C3.1 C4.2 R22.2 R23.2 U1.27 | length 40.6
  Top Layer w0.254: R22.2@24.3,134.8 R23.2@24.3,132.4 C3.1@28.3,132.4 ; C4.2@28.3,129.6 C3.1@28.3,132.4 ; U1.27@43.4,112.3 37.211,112.3 34.738,114.773 34.738,128.412 30.75,132.4 C3.1@28.3,132.4
NetC4_1: C4.1 C5.2 R24.2 R25.2 U1.28 | length 36.4
  Top Layer w0.254: R24.2@24.3,130.795 R25.2@24.3,128.395 C4.1@28.3,128.395 ; C5.2@28.3,126.6 C4.1@28.3,128.395 ; U1.28@43.4,111.8 37.14,111.8 34.334,114.606 34.334,125.191 31.125,128.4 C4.1@28.3,128.4 C4.1@28.3,128.395
NetC6_1: C6.1 C7.2 R30.2 R31.2 R53.2 U1.31 | length 29.9
  Top Layer w0.254: R31.2@24.3,117.3 R30.2@24.3,119.7 25.625,119.7 26.725,120.8 C6.1@28.3,120.8 ; C6.1@28.3,120.6 C7.2@28.3,114.5 28.35,114.55 30.25,114.55 R53.2@30.3,114.6 32.626,114.6 36.926,110.3 U1.31@43.4,110.3
NetC6_2: C6.2 D17.2 R29.2 U1.30 | length 27.3
  Top Layer w0.254: R29.2@24.3,121.7 24.3,121.877 24.423,122 C6.2@28.3,122 30.275,122 D17.2@30.3,121.975 31.55,121.975 33.526,119.999 33.526,114.271 36.997,110.8 U1.30@43.4,110.8
NetC7_1: C7.1 C8.2 R32.2 R33.2 R53.1 U1.32 | length 25.3
  Top Layer w0.254: R32.2@24.3,115.7 R33.2@24.3,113.3 27.1,113.3 C7.1@28.3,113.3 ; 28.3,110.9 C7.1@28.3,113.3 ; U1.32@43.4,109.8 36.85,109.8 33.45,113.2 R53.1@30.3,113.2 30.25,113.25 28.35,113.25 C7.1@28.3,113.3
NetC8_1: C8.1 C9.2 R34.2 R35.2 U1.33 | length 24
  Top Layer w0.254: R34.2@24.3,111.7 R35.2@24.3,109.3 C8.1@28.3,109.3 ; C9.2@28.3,106.8 C8.1@28.3,109.3 ; U1.33@43.4,109.3 C8.1@28.3,109.3
NetC9_1: C9.1 C10.2 R36.2 R37.2 U1.34 | length 24
  Top Layer w0.254: R36.2@24.3,107.7 R37.2@24.3,105.3 24.4,105.4 C9.1@28.3,105.4 ; C10.2@28.3,104.35 C9.1@28.3,105.4 ; U1.34@43.4,108.8 36.95,108.8 33.55,105.4 C9.1@28.3,105.4
NetC11_1: C11.1 C12.2 R42.2 R43.2 R54.2 U1.37 | length 33.9
  Top Layer w0.254: R42.2@24.3,99.8 R43.2@24.3,97.4 C11.1@28.2,97.4 28.2,94.8 C12.2@28.3,94.7 28.35,94.75 30.25,94.75 R54.2@30.3,94.8 32.475,94.8 34.409,96.734 34.409,104.544 37.165,107.3 U1.37@43.4,107.3
NetC11_2: C11.2 D18.2 R41.2 U1.36 | length 23
  Top Layer w0.254: R41.2@29.525,98.6 29.525,97.525 C11.2@29.4,97.4 30.5,97.4 31,97.9 D18.2@31.125,97.9 33.1,97.9 34.005,98.805 34.005,104.712 37.093,107.8 U1.36@43.4,107.8
NetC12_1: C12.1 C13.2 R44.2 R45.2 R54.1 U1.38 | length 34.5
  Top Layer w0.254: R44.2@24.3,95.8 R45.2@24.3,93.4 24.4,93.5 C12.1@28.3,93.5 ; C13.2@28.3,90.7 C12.1@28.3,93.5 ; U1.38@43.4,106.8 37.236,106.8 34.813,104.377 34.813,96.567 31.646,93.4 R54.1@30.3,93.4 30.25,93.45 28.35,93.45 C12.1@28.3,93.5
NetC13_1: C13.1 C14.2 R46.2 R47.2 U1.39 | length 37.6
  Top Layer w0.254: R46.2@24.3,91.9 R47.2@24.3,89.5 C13.1@28.3,89.5 ; C14.2@28.3,86.7 C13.1@28.3,89.5 ; U1.39@43.4,106.3 37.307,106.3 35.217,104.21 35.217,93.442 31.275,89.5 C13.1@28.3,89.5